# Altium PCB PCB MODULE AM625.PcbDoc (part 3 of 4)
Units mm, origin at the board's own origin, x right, y up, seen from the top; angles counter-clockwise.
Board outline 32.5 x 31.2 mm, 10 copper layers (Signal TOP, Ground Plane 1 (GND), Signal RAM 1, POWER 1, Signal IO 1, Signal IO 2, POWER 2, Signal RAM 2, Ground Plane 2 (GND), Signal Bottom), stack 1.563 mm thick; 228 components, 260 nets, 1274 pads, 470 vias.
Unrouted connection lines stored in the file: 1.
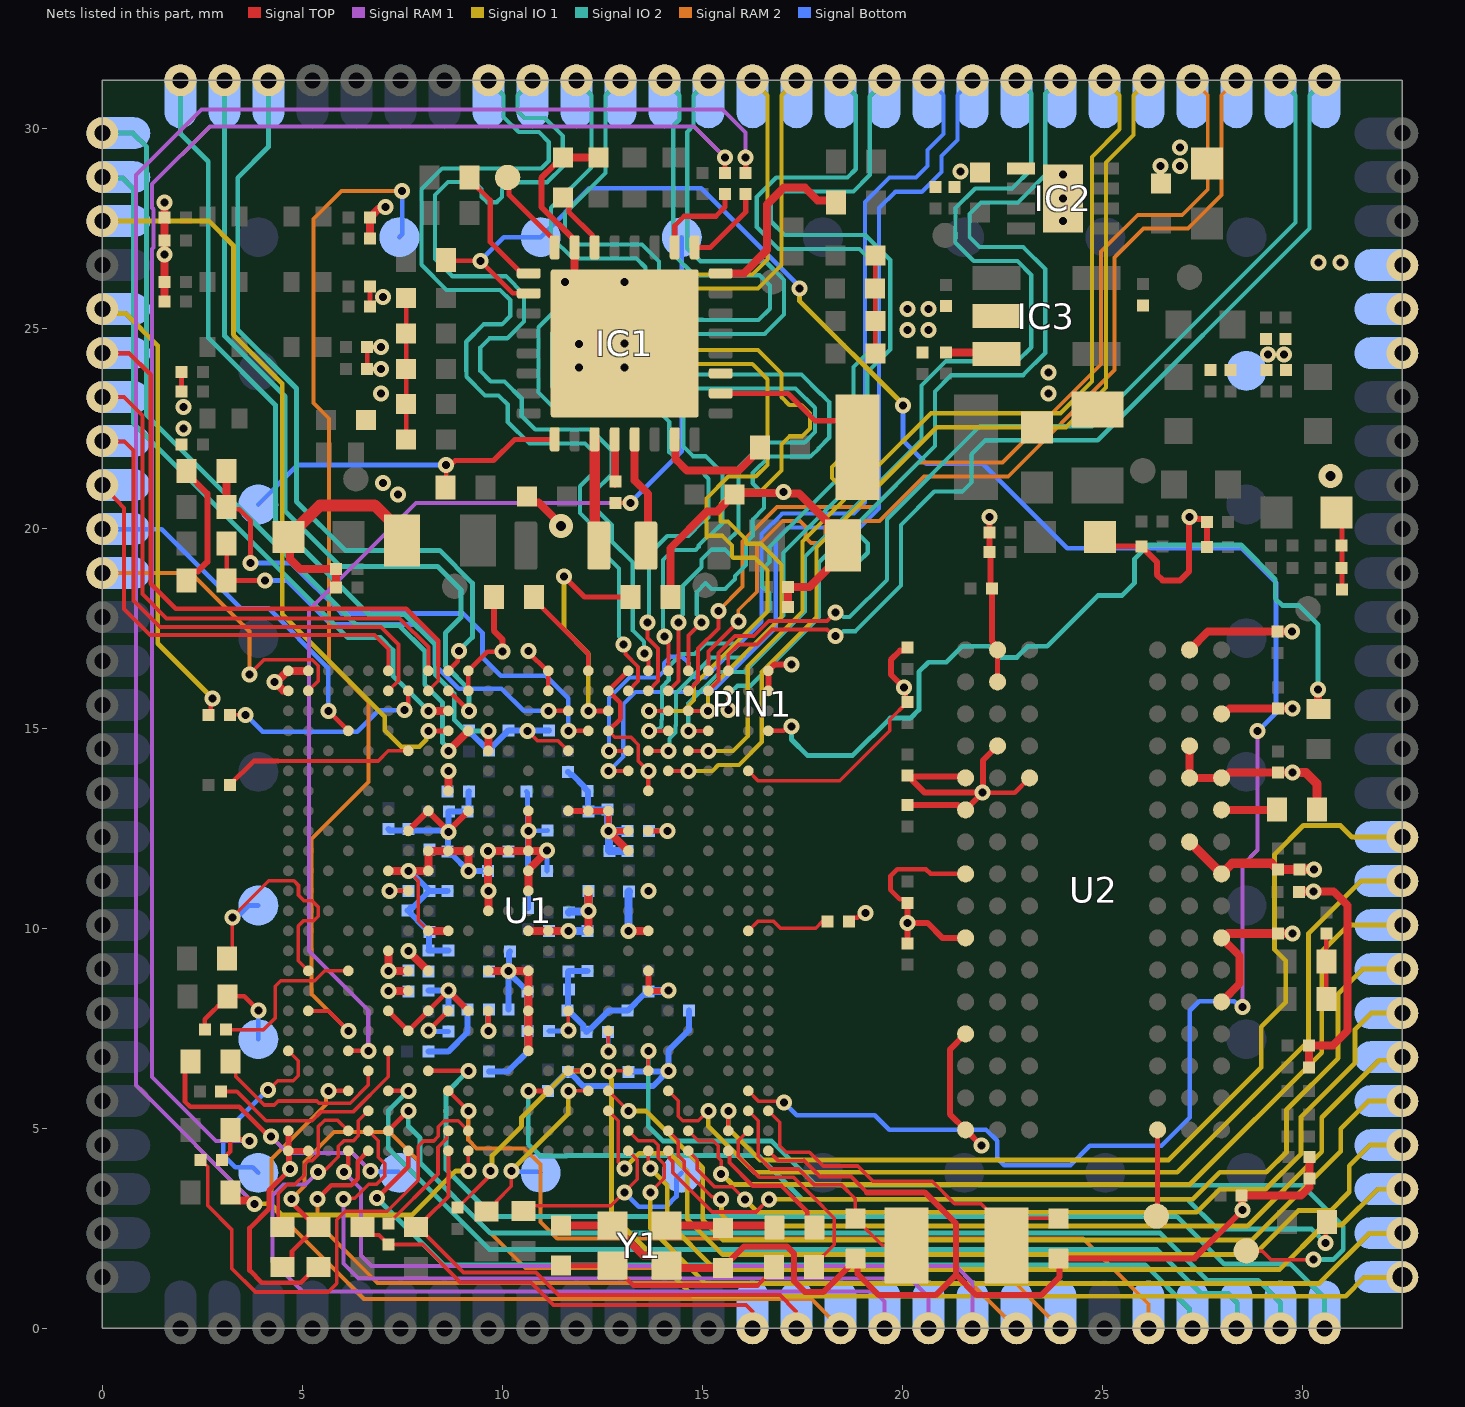
[diagram p11: the nets of this part, all layers, seen from the top]

## Via types
v1: diameter 0.4, hole 0.2, Signal TOP to Signal Bottom, tented both sides, 441 vias
v2: diameter 0.6, hole 0.25, Signal TOP to Signal Bottom, tented both sides, 29 vias

## Nets (pads, with @x,y where several pads share a name; then routed paths per layer and width w, separated by ;. In a path a pad name is that pad's centre, name@x,y a point inside that pad or via, vN(x,y) a via of type N, cw(c..) or ccw(c..) an arc to the next point about the centre after c; other vN are vias at no path point) (continued)
GND: C2.2 C3.2 C4.2 C5.1 C6.1 C7.1 C8.1 C9.2 C11.1 C12.1 C13.1 C14.1 C15.1 C16.1 C17.1 C18.1 C19.2 C20.1 C21.1 C22.1 C23.1 C24.2 C25.2 C26.2 C27.2 C28.1 C29.2 C30.2 C31.1 C32.2 C33.2 C34.2 C35.2 C36.2 C37.2 C38.2 C39.2 C40.1 C41.2 C42.2 C43.2 C44.1 C45.1 C46.1 C47.1 C48.2 C49.2 C50.2 C51.2 C52.2 C53.2 C54.2 C55.2 C56.2 C57.2 C58.2 C59.2 C60.2 C61.2 C62.2 C63.2 C64.2 C65.2 C66.2 C67.2 C68.2 C69.2 C70.2 C71.2 C72.2 C73.2 C74.2 C75.2 C76.2 C77.2 C78.2 C79.2 C80.2 C81.2 C82.2 C83.2 C84.2 C85.2 C86.2 C87.2 C88.1 C89.2 C90.2 C91.2 C92.2 C93.2 C94.2 C95.2 C96.2 C97.2 C98.2 C99.2 C100.2 C101.2 C102.2 C103.2 C104.2 C105.2 C106.2 C107.2 C108.2 C109.2 C110.2 C111.2 C112.2 C113.2 C114.2 C115.2 C116.2 C117.2 C118.2 C119.2 C120.1 C121.2 C122.2 C123.2 C124.2 C125.2 C126.2 C127.2 C128.2 C129.2 C130.2 C131.2 C132.2 C133.2 C134.2 C135.2 IC1.15 IC1.33 IC2.5 IC2.9 IC3.2 PIN1.58 PIN1.58_1 PIN1.59 PIN1.59_1 PIN1.60 PIN1.60_1 PIN1.117 R2.1 R5.1 R7.2 R8.2 R10.2 R12.2 R15.1 R17.1 R32.2 R50.1 R54.1 R55.1 R56.1 R58.1 U1.A1 U1.A24 U1.A25 U1.AA11 U1.AB9 U1.AD1 U1.AD9 U1.AD12 U1.AD16 U1.AD25 U1.AE1 U1.AE8 U1.AE12 U1.AE16 U1.AE24 U1.AE25 U1.B25 U1.F13 U1.G13 U1.G19 U1.H13 U1.H16 U1.H18 U1.H20 U1.J7 U1.J13 U1.K7 U1.K13 U1.K15 U1.K19 U1.L20 U1.M7 U1.M8 U1.M10 U1.M12 U1.M13 U1.M17 U1.M18 U1.N15 U1.P7 U1.P10 U1.P13 U1.R13 U1.R15 U1.R18 U1.R20 U1.T8 U1.T13 U1.T14 U1.T16 U1.T17 U1.T18 U1.U8 U1.U19 U1.V9 U1.V10 U1.V11 U1.V13 U1.V16 U1.V18 U1.W7 U1.Y2 U2.A2 U2.A8 U2.B2 U2.C9 U2.D2 U2.D8 U2.E1 U2.E3 U2.E8 U2.E9 U2.F1 U2.G8 U2.H1 U2.H9 U2.K1 U2.K9 U2.M9 U2.N1 U2.T1 Y1.2 Y1.4 | length 212.2
  Signal TOP w0.09: v1(7.649,11.436) 7.9,11.185 7.9,10.186 U1.M18@8.15,9.936 ; v1@10.631,14.94 10.879,14.692 11.393,14.692 U1.AA11@11.65,14.436 ; U1.AB9@12.65,14.936 12.812,14.773 13.22,14.773 13.4,14.592 13.4,14.181 v1(13.65,13.932) ; U1.Y2@16.15,13.936 16.393,13.692 18.435,13.692 19.682,14.94 19.682,15.211 C17.1@20.13,15.658 ; U1.A1@16.65,4.436 16.892,4.194 17.541,4.194
  Signal TOP w0.1: 17.541,4.194 17.938,3.797 18.721,3.797 19.118,3.4
  Signal TOP w0.117: U1.AD16@9.15,15.936 U1.AE16@9.15,16.436 9.625,16.911 9.995,16.911 v1(10,16.916) ; v1(10.65,16.936) 10.65,16.905 11.118,16.436 U1.AE12@11.15,16.436 U1.AD12@11.15,15.936 ; U1.AB9@12.65,14.936 12.956,15.242 12.956,15.63 U1.AD9@12.65,15.936 U1.AE8@13.15,16.436 ; U1.W7@13.65,13.436 v1(13.65,13.932) ; R5.1@18.665,10.171 18.757,10.262 18.879,10.262 19.002,10.385 v1(19.079,10.385) ; v1(20.045,16.016) 20.087,15.974 20.087,15.701 C17.1@20.13,15.658 ; v1(22.004,13.391) 22.81,13.391 U2.E3@23.181,13.761 ; U2.B2@22.381,16.161 U2.A2@22.381,16.961
  Signal TOP w0.12: C59.2@1.983,23.424 C60.2@1.983,23.906 ; v1(4.694,3.979) 4.168,3.453 4.168,2.991 3.682,2.505 3.682,1.446 3.988,1.14 4.961,1.14 R15.1@5.35,1.528 ; C81.2@6.622,23.988 C82.2@6.622,24.53 ; C69.2@6.69,25.55 C70.2@6.69,26.05 ; C37.2@7.597,22.222 C34.2@7.597,23.105 C36.2@7.597,23.988 C32.2@7.597,24.871 C35.2@7.597,25.754 ; C24.2@19.326,24.382 C33.2@19.326,26.818 ; C14.1@20.13,10.635 20.04,10.725 19.939,10.725 19.701,10.962 19.701,11.305 19.874,11.478 20.59,11.478 20.706,11.361 U2.H1@21.581,11.361
  Signal TOP w0.13: U1.H20@7.15,7.936 U1.G19@7.65,7.436 U1.H18@8.15,7.936 8.15,7.938 v1(8.65,8.439) ; C88.1@24.944,19.782 25.176,19.55 R50.1@25.977,19.55 ; C9.2@30.859,20.4 30.99,20.269 C20.1@30.99,18.469
  Signal TOP w0.15: R55.1@2.11,18.7 2.11,18.75 2.285,18.925 2.39,18.925 2.625,19.16 2.625,20.868 2.11,21.383 R58.1@2.11,21.433 ; U1.B25@4.65,4.936 U1.A25@4.65,4.436 ; v1(4.694,3.979) 4.672,4.001 4.672,4.414 U1.A25@4.65,4.436 ; U1.A24@5.15,4.436 U1.A25@4.65,4.436 ; R15.1@5.35,1.528 R15.1@5.4,1.528 ; U1.U19@7.65,12.436 U1.V18@8.15,12.936 8.15,12.923 v1@8.65,12.423 ; v1(8.65,8.439) v1(8.65,8.439) 9.15,7.938 U1.H16@9.15,7.936 ; v1(8.65,12.411) v1@8.65,12.423 ; U1.V16@9.15,12.936 9.15,12.923 v1@8.65,12.423 ; R54.1@9.786,18.28 9.786,17.439 10,17.226 v1(10,16.916) ; U1.T13@10.65,11.936 v1(10.65,12.436) U1.V13@10.65,12.936 ; C30.2@11.522,29.271 11.347,29.096 11.311,29.096 10.975,28.76 10.975,28.033 11.811,27.197 IC1.15@11.811,27.022 ; U1.V11@11.65,12.936 U1.V10@12.15,12.936 U1.V9@12.65,12.936 v1(12.65,12.436) U1.U8@13.15,12.436 ; U1.J7@13.65,8.436 U1.J7@13.651,8.438 ; U1.K7@13.65,8.936 13.65,8.439 U1.J7@13.651,8.438 ; v1(14.15,8.439) 14.148,8.438 U1.J7@13.651,8.438 ; C45.1@15.512,1.512 16.04,2.04 17.119,2.04 17.297,1.863 17.297,1.177 17.569,0.905 18.027,0.905 18.651,1.529 18.651,1.57 C46.1@18.826,1.745 18.884,1.687 18.884,1.358 19.413,0.829 20.835,0.829 21.344,1.338 ; U1.AD1@16.65,15.936 U1.AE1@16.65,16.436 16.813,16.6 v1(17.23,16.6) ; 19.118,3.4 20.557,3.4 ; v1(20.045,16.016) 19.716,16.346 19.716,16.713 19.943,16.941 20.055,16.941 C2.2@20.13,17.016 ; C19.2@20.13,9.62 v1(20.13,10.135) ; C14.1@20.13,10.635 v1(20.13,10.135) ; C18.1@20.13,13.077 21.39,13.077 21.506,12.961 U2.F1@21.581,12.961 21.581,12.964 22.004,13.388 v1(22.004,13.391) ; 20.557,3.4 21.344,2.613 21.344,1.338 ; U2.N1@21.581,7.361 21.187,6.967 21.187,5.355 U2.T1@21.581,4.961 21.584,4.961 21.974,4.571 v1(21.977,4.571) ; U2.K1@21.581,9.761 21.003,9.761 20.629,10.135 v1(20.13,10.135) ; U2.E1@21.581,13.761 21.607,13.761 21.578,13.791 20.159,13.791 20.559,13.391 v1(22.004,13.391) ; v1(22.179,20.28) C90.2@22.179,19.89 C89.2@22.179,19.41 22.209,19.381 22.209,18.52 C16.1@22.238,18.49 22.238,17.178 22.381,17.036 U2.A2@22.381,16.961 ; U2.D2@22.381,14.561 22.019,14.199 22.019,13.405 v1(22.004,13.391) ; R50.1@25.977,19.55 26.364,19.163 26.364,18.843 26.507,18.7 26.947,18.7 27.166,18.918 27.166,20.265 v1(27.181,20.28) 27.248,20.28 27.301,20.226 27.541,20.226 C128.2@27.616,20.151 C127.2@27.616,19.529 ; v1(28.505,2.953) 27.302,1.75 C47.1@23.911,1.75 23.927,1.735 23.927,1.279 23.477,0.829 21.853,0.829 21.344,1.338
  Signal TOP w0.2: v1(1.554,28.141) 1.557,28.138 1.557,27.774 C78.2@1.56,27.771 C79.2@1.56,27.2 C72.2@1.56,26.161 C73.2@1.56,25.671 ; v1(4.31,16.157) v1@4.313,16.157 ; U1.AD25@4.65,15.936 4.636,15.949 4.521,15.949 v1@4.313,16.157 ; C120.1@4.652,19.783 4.694,19.742 4.694,19.233 4.946,18.98 C121.2@5.847,18.98 C122.2@5.847,18.515 ; U1.AE24@5.15,16.436 U1.AE25@4.65,16.436 4.631,16.436 4.352,16.157 v1@4.313,16.157 ; C66.2@6.69,27.243 C67.2@6.69,27.771 6.919,27.999 7.046,27.999 v1(7.084,28.037) ; U1.L20@7.15,9.436 v1(7.15,8.936) U1.K19@7.65,8.936 ; U1.R20@7.15,11.436 v1(7.649,11.436) U1.R18@8.15,11.436 U1.T18@8.15,11.936 U1.T17@8.65,11.936 U1.T16@9.15,11.936 9.151,11.934 9.151,11.438 v1(9.153,11.436) ; U1.M18@8.15,9.936 U1.M17@8.65,9.936 ; U1.K15@9.65,8.936 v1(10.15,8.936) U1.K13@10.65,8.936 U1.J13@10.65,8.436 U1.H13@10.65,7.936 U1.G13@10.65,7.436 U1.F13@10.65,6.936 ; U1.N15@9.65,10.436 v1(9.65,10.932) 9.645,10.937 9.645,11.931 v1(9.64,11.936) U1.T13@10.65,11.936 11.108,11.936 v1(11.121,11.949) 11.121,11.927 10.65,11.455 U1.R13@10.65,11.436 U1.P13@10.65,10.936 ; C26.2@10.621,20.8 10.771,20.65 10.908,20.65 11.467,20.091 v2(11.467,20.063) ; U1.M13@10.65,9.936 U1.M12@11.15,9.936 v1(11.65,9.936) ; C44.1@11.467,2.568 Y1.2@12.75,2.568 12.775,2.568 13.525,1.818 13.85,1.818 Y1.4@14.1,1.568 14.155,1.512 C45.1@15.512,1.512 ; C30.2@11.522,29.271 C38.2@12.4,29.271 ; v1(11.565,26.161) 11.599,26.161 11.811,26.372 IC1.15@11.811,27.022 ; U1.M10@12.15,9.936 v1(12.15,10.436) U1.P10@12.15,10.936 ; v1(12.65,12.436) U1.T8@13.15,11.936 ; v1(13.15,9.936) U1.M7@13.65,9.936 ; R56.1@14.2,18.28 14.2,19.5 15.117,20.417 15.367,20.417 C27.2@15.8,20.85 15.83,20.88 16.996,20.88 v1(17.026,20.91) 17.064,20.872 17.417,20.872 18.521,19.768 C28.1@18.521,19.568 18.521,19.368 17.684,18.53 C114.2@17.148,18.53 C115.2@17.148,18.03 ; U2.D8@27.181,14.561 U2.E8@27.181,13.761 U2.E9@27.981,13.761 28.042,13.761 28.175,13.895 C7.1@29.387,13.895 29.39,13.898 29.747,13.898 v1(29.75,13.901) ; U2.A8@27.181,16.961 27.637,17.417 C5.1@29.385,17.417 29.387,17.42 29.744,17.42 v1(29.747,17.423) ; U2.M9@27.981,8.161 28.436,8.616 28.436,9.306 U2.K9@27.981,9.761 ; U2.C9@27.981,15.361 28.042,15.361 28.175,15.495 C6.1@29.387,15.495 29.39,15.498 29.747,15.498 v1(29.75,15.501) ; C12.1@28.482,3.314 29.969,3.314 30.18,3.525 C3.2@30.18,3.75 R2.1@30.18,4.288 ; v1@28.493,2.965 C12.1@28.493,3.303 ; R12.2@30.165,6.516 R10.2@30.165,7.074 30.764,7.074 31.13,7.44 31.13,10.574 30.786,10.918 v1(30.278,10.918)
  Signal TOP w0.23: U2.G8@27.181,12.161 U2.H9@27.981,11.361 28.248,11.628 29.227,11.628 C11.1@29.387,11.468 C8.1@29.935,11.468 ; U2.K9@27.981,9.761 28.034,9.761 28.142,9.87 C13.1@29.387,9.87 29.39,9.873 29.747,9.873 v1(29.75,9.876) ; v1(29.75,13.901) 29.755,13.895 30.09,13.895 30.369,13.616 R8.2@30.369,12.97 ; R17.1@29.921,10.918 v1(30.278,10.918) ; C8.1@29.94,11.474 v1(30.297,11.474)
  Signal TOP w0.3: C120.1@4.652,19.783 4.902,20.033 5.445,20.576 6.81,20.576 7.493,19.893 C31.1@7.493,19.693
  Signal Bottom w0.12: C102.2@9.637,11.432 C102.2@9.639,11.434 ; C130.2@10.142,11.928 C130.2@10.15,11.921 ; C61.2@10.604,13.425 10.627,13.403 10.627,12.458 v1(10.65,12.436) 10.652,12.439 11.132,12.439 C65.2@11.134,12.441 ; C93.2@11.12,11.436 v1(11.121,11.949)
  Signal Bottom w0.15: v1(7.15,8.936) 7.157,8.943 7.642,8.943 C54.2@7.65,8.951 ; C110.2@7.15,12.482 7.185,12.446 8.614,12.446 v1(8.65,12.411) ; v1(7.649,11.436) 7.68,11.436 C51.2@8.179,10.936 ; C64.2@8.149,6.917 8.645,6.917 9.135,7.406 C48.2@9.135,7.965 9.06,8.04 9.045,8.04 8.65,8.436 v1(8.65,8.439) ; C116.2@8.16,8.451 8.166,8.445 8.644,8.445 v1(8.65,8.439) ; C96.2@8.18,11.965 8.202,11.943 C71.2@8.612,11.943 ; C134.2@8.634,10.932 C134.2@8.634,10.932 8.181,10.934 C51.2@8.179,10.936 ; C97.2@8.649,9.451 C49.2@8.149,9.451 8.165,9.466 8.165,9.891 C107.2@8.179,9.906 8.105,9.981 8.099,9.981 C117.2@7.635,10.444 7.71,10.519 7.763,10.519 C51.2@8.179,10.936 ; C53.2@8.653,7.951 8.651,7.953 8.651,8.438 v1(8.65,8.439) ; C50.2@9.164,13.425 9.15,13.41 9.15,12.941 C99.2@9.135,12.926 8.663,12.926 8.656,12.919 8.656,12.418 v1(8.65,12.411) ; C111.2@9.164,14.951 9.24,14.876 9.24,14.857 9.57,14.526 9.59,14.526 C58.2@9.665,14.451 10.075,14.861 10.075,14.876 C106.2@10.15,14.951 C74.2@11.164,14.951 ; C102.2@9.637,11.432 9.155,11.434 v1(9.153,11.436) 8.743,11.846 8.709,11.846 C71.2@8.634,11.921 8.642,11.928 8.642,12.403 v1(8.65,12.411) ; C102.2@9.639,11.434 9.639,11.934 v1(9.64,11.936) 9.648,11.928 C130.2@10.142,11.928 ; C126.2@9.665,6.421 10.138,6.421 10.635,6.918 C55.2@10.635,7.436 C92.2@10.634,8.421 ; C133.2@9.665,8.921 9.672,8.928 10.142,8.928 v1(10.15,8.936) ; C112.2@10.149,7.965 v1@10.15,8.906 ; C100.2@10.195,9.422 10.172,9.4 10.172,8.958 v1(10.15,8.936) ; C92.2@10.634,8.421 v1@10.15,8.906 ; C80.2@10.648,10.51 10.649,10.511 10.649,12.435 v1(10.65,12.436) ; C108.2@11.145,5.935 11.545,6.335 11.57,6.335 C118.2@11.645,6.41 11.72,6.335 11.747,6.335 12.027,6.055 13.769,6.055 v1(14.15,6.436) 14.15,6.934 14.665,7.45 C94.2@14.665,7.94 ; C68.2@11.646,13.908 11.721,13.833 11.757,13.833 12.06,13.53 12.06,13.504 C86.2@12.135,13.429 12.147,13.416 12.147,12.939 C98.2@12.16,12.926 ; C56.2@12.11,7.41 12.185,7.485 12.207,7.485 12.663,7.94 C57.2@13.134,7.94 13.54,8.346 13.58,8.346 C135.2@13.655,8.421 ; C56.2@12.11,7.426 12.094,7.426 12.035,7.485 12.035,7.565 11.725,7.875 11.71,7.875 11.642,7.943 11.642,8.914 C77.2@11.65,8.921 11.657,8.928 12.127,8.928 C125.2@12.135,8.936 ; C83.2@13.15,6.41 13.163,6.423 v1@14.137,6.423 ; v1@10.15,8.906 v1(10.15,8.936)
  Signal Bottom w0.2: C91.2@11.164,9.936 v1(11.65,9.936) C123.2@12.135,9.936 ; C129.2@11.664,10.4 11.682,10.418 12.132,10.418 v1(12.15,10.436) C101.2@12.149,10.936 ; C98.2@12.16,12.926 12.183,12.948 12.612,12.948 C95.2@12.634,12.971 ; C95.2@12.65,12.986 C95.2@12.634,12.971 ; C119.2@13.134,11.926 C131.2@12.679,11.926 12.665,11.941 12.665,12.421 v1(12.65,12.436) ; C52.2@13.134,12.436 v1(12.65,12.436) ; v1(13.15,9.936) 13.157,9.943 13.157,10.913 C124.2@13.164,10.921 ; C135.2@13.655,8.421 13.665,8.43 14.14,8.43 v1(14.15,8.439) ; C95.2@12.634,12.971 12.642,12.963 12.642,12.443 v1(12.65,12.436)
  other v1: 13.65,10.936 10.627,14.936 7.396,20.843 7.014,21.136 2.035,22.5 2.035,23.031 6.964,23.372 23.651,23.366 23.651,23.891 6.968,23.988 11.912,24.017 13.061,24.017 29.137,24.35 29.548,24.35 6.968,24.53 11.912,24.61 13.061,24.622 20.13,24.961 20.655,24.961 20.131,25.479 20.657,25.479 7.015,25.788 13.061,26.161 30.4,26.65 30.95,26.65 1.552,26.848 24.021,27.679 24.02,28.248 24.021,28.847 21.457,28.923 26.45,29.056 26.945,29.056 26.945,29.523
  other v2: 30.71,21.304
GPIO_AUD_RSTn: PIN1.130 U1.F25 | length 4.8
  Signal TOP w0.09: v1(4.14,5.958) 4.151,5.958 4.383,6.19 4.775,6.19 4.899,6.314 4.899,6.686 U1.F25@4.65,6.936
  Signal Bottom w0.117: PIN1.130@3.9,3.885 3.758,4.027 3.321,4.027 3.022,4.326 3.022,4.847 4.133,5.958 v1(4.14,5.958)
I2C0_SCL: R22.1 R46.1 R47.1 | length 42.5
  Signal TOP w0.117: R47.1@2.99,4.21 3.2,4.42 R46.1@3.2,4.911 ; R46.1@3.2,4.961 R46.1@3.2,4.911 ; v1(3.682,4.686) 3.648,4.72 3.392,4.72 R46.1@3.2,4.911
  Signal TOP w0.13: v1(15.567,29.271) v1(15.567,29.271) 15.568,28.886 R22.1@15.57,28.884
  Signal RAM 1 w0.102: v1(3.682,4.686) 2.838,4.686 1.238,6.287 1.238,26.979 1.275,27.016 1.275,27.975 1.24,28.011 1.24,28.602 2.688,30.05 14.787,30.05 v1(15.567,29.271)
I2C0_SDA: R23.1 R45.1 U1.A16 | length 51.3
  Signal TOP w0.09: v1(9.15,3.936) U1.A16@9.15,4.436
  Signal TOP w0.13: R23.1@16.085,28.884 v1@16.085,29.267
  Signal TOP w0.2: R45.1@3.2,3.4 3.2,3.35 3.35,3.2 3.667,3.2 3.754,3.113 v1(3.809,3.113)
  Signal RAM 1 w0.102: v1(3.809,3.113) 0.838,6.083 0.838,28.83 2.483,30.475 15.5,30.475 16.083,29.892 v1(16.083,29.269)
  Signal IO 1 w0.122: v1(3.809,3.113) 4.211,3.113 4.492,2.831 7.736,2.831 8.841,3.936 v1(9.15,3.936)
I2C1_SCL: PIN1.95 PIN1.95_1 R44.1 R48.1 | length 10.7
  Signal TOP w0.1: R44.1@6.422,2.528 6.612,2.338 6.92,2.338 R48.1@7.161,2.096 8.011,2.096 8.958,1.149 10.715,1.149 11.278,0.586 16.095,0.586 16.256,0.425
I2C1_SDA: PIN1.94 PIN1.94_1 R43.1 U1.A17 | length 12.6
  Signal TOP w0.1: U1.A17@8.65,4.436 8.65,3.297 8.093,2.74 8.093,2.728 R43.1@7.893,2.528 ; 17.341,0.425 16.937,0.829 11.405,0.829 10.839,1.395 9.026,1.395 R43.1@7.893,2.528 ; R43.1@7.893,2.528 R43.1@7.843,2.528 R43.1@7.893,2.528
I2C2_SCL: PIN1.131 R33.1 R35.1 | length 2.7
  Signal TOP w0.117: R35.1@2.564,7.469 2.564,7.727 2.728,7.892 2.894,8.057 2.944,8.057 3.135,8.249 R33.1@3.135,8.299 3.552,8.299 v1(3.9,7.95)
  Signal Bottom w0.117: PIN1.131@3.9,7.227 v1(3.9,7.95)
I2C2_SDA: PIN1.132 R34.1 U1.K24 | length 6.9
  Signal TOP w0.09: R34.1@3.113,9.25 3.25,9.387 v1(3.25,10.273) 4.164,11.187 4.791,11.187 4.906,11.072 4.906,10.822 5.041,10.687 5.242,10.687 5.398,10.532 5.398,10.304 5.28,10.185 5.028,10.185 4.898,10.055 4.898,9.187 U1.K24@5.15,8.936
  Signal Bottom w0.117: v1(3.25,10.273) 3.304,10.327 3.419,10.327 3.661,10.569 PIN1.132@3.9,10.569
MCASP0_ACLKX: PIN1.83 PIN1.83_1 U1.B20 | length 25.7
  Signal TOP w0.117: U1.B20@7.15,4.936 v1(7.65,5.436)
  Signal IO 2 w0.122: v1(7.65,5.436) 7.65,5.058 7.943,4.764 7.943,4.136 9.699,2.381 26.449,2.381 27.629,1.201 28.895,1.201 29.456,0.64 PIN1.83_1@29.456,0
MCASP0_AFSX: PIN1.84 PIN1.84_1 U1.D20 | length 25.6
  Signal TOP w0.117: U1.D20@7.15,5.936 v1(7.65,5.936)
  Signal IO 2 w0.122: v1(7.65,5.936) 7.15,5.436 7.15,4.503 9.678,1.975 26.363,1.975 27.463,0.875 28.13,0.875 28.373,0.633 PIN1.84_1@28.373,0
MCASP0_AXR0: PIN1.82 PIN1.82_1 U1.E18 | length 27.7
  Signal TOP w0.117: U1.E18@8.15,6.436 v1(9.15,6.436)
  Signal IO 2 w0.122: v1(9.15,6.436) 8.591,5.878 8.591,3.972 9.766,2.797 26.858,2.797 28.052,1.604 29.707,1.604 30.556,0.755 PIN1.82_1@30.556,0
MCASP0_AXR2: PIN1.85 PIN1.85_1 U1.A19 | length 23.5
  Signal TOP w0.117: v1(6.863,3.257) 7.65,4.044 U1.A19@7.65,4.436
  Signal IO 2 w0.122: v1(6.863,3.257) 8.535,1.585 26.071,1.585 27.181,0.475 27.181,0.075 PIN1.85_1@27.256,0
MCU_I2C0_SCL: PIN1.127 R37.1 U1.A8 | length 6.2
  Signal TOP w0.09: R37.1@10.53,2.936 10.657,3.063 12.713,3.063 v1(13.05,3.4) 13.375,3.725 13.375,4.21 U1.A8@13.15,4.436
  Signal Bottom w0.117: v1(13.05,3.4) 13.413,3.037 14.094,3.037 14.354,3.297 14.354,3.751 PIN1.127@14.487,3.885
MCU_I2C0_SDA: PIN1.128 R36.1 U1.D10 | length 5.1
  Signal TOP w0.09: R36.1@9.6,2.925 9.65,2.925 9.855,3.13 9.855,3.18 10.225,3.55 v1(10.225,3.936) ; v1(11.65,5.936) U1.D10@12.15,5.936
  Signal IO 1 w0.122: v1(10.225,3.936) 11.65,5.36 v1(11.65,5.936)
  Signal Bottom w0.117: v1(10.225,3.936) 10.251,3.91 10.932,3.91 PIN1.128@10.958,3.885
MCU_MCAN0_RX: PIN1.71 PIN1.71_1 U1.B3 | length 24.9
  Signal TOP w0.09: U1.B3@15.65,4.936 v1(15.65,5.436)
  Signal IO 1 w0.122: v1(15.65,5.436) 15.65,5 16.441,4.209 26.661,4.209 28.975,6.522 28.975,7.539 29.587,8.151 29.587,9.189 29.308,9.467 29.308,11.85 30.028,12.57 30.952,12.57 31.243,12.279 PIN1.71_1@32.5,12.279
MCU_MCAN0_TX: PIN1.72 PIN1.72_1 U1.D6 | length 24.4
  Signal TOP w0.09: U1.D6@14.15,5.936 14.4,5.686 14.4,5.3 14.515,5.185 14.899,5.185 v1(15.15,5.436)
  Signal IO 1 w0.122: v1(15.15,5.436) 15.15,5.05 16.3,3.9 26.872,3.9 30.158,7.186 30.158,9.876 31.461,11.179 PIN1.72_1@32.5,11.179
MCU_SPI0_CLK: PIN1.79 PIN1.79_1 U1.A7 | length 21.7
  Signal TOP w0.09: U1.A7@13.65,4.436 13.65,4.05 v1(13.7,4)
  Signal IO 1 w0.122: v1(13.7,4) 14.125,3.575 14.125,2.671 15.328,1.468 29.428,1.468 30.543,2.583 30.99,2.583 31.882,3.476 32.497,3.476 PIN1.79_1@32.5,3.479
MCU_SPI0_CS0: PIN1.81 PIN1.81_1 U1.E8 | length 24.9
  Signal TOP w0.09: v1(12.65,6.436) U1.E8@13.15,6.436
  Signal IO 1 w0.122: v1(12.65,6.436) 12.703,6.383 12.703,6.248 12.726,6.225 12.726,2.845 14.769,0.802 31.083,0.802 31.553,1.273 32.494,1.273 PIN1.81_1@32.5,1.279
MCU_SPI0_CS1: PIN1.80 PIN1.80_1 U1.B8 | length 23.1
  Signal TOP w0.09: U1.B8@13.15,4.936 13.4,4.686 13.789,4.686 13.9,4.575 13.9,4.25 14.05,4.1 14.05,3.75 v1(13.7,3.4)
  Signal IO 1 w0.122: v1(13.7,3.4) 13.7,2.509 15.091,1.117 30.416,1.117 31.669,2.37 32.491,2.37 PIN1.80_1@32.5,2.379
MCU_SPI0_D0: PIN1.77 PIN1.77_1 U1.D9 | length 23.9
  Signal TOP w0.09: U1.D9@12.65,5.936 v1(13.15,5.436)
  Signal IO 1 w0.122: v1(13.15,5.436) 13.589,5.436 15.011,4.014 15.011,2.714 15.515,2.21 28.75,2.21 30.962,4.423 30.962,4.988 31.653,5.679 PIN1.77_1@32.5,5.679
MCU_SPI0_D1: PIN1.78 PIN1.78_1 U1.C9 | length 24.5
  Signal TOP w0.09: U1.C9@12.65,5.436 12.9,5.185 12.9,4.15 v1(13.05,4)
  Signal IO 1 w0.122: v1(13.05,4) 13.425,4.375 14.179,4.375 14.625,3.93 14.625,2.729 15.512,1.842 28.802,1.842 29.902,2.942 30.708,2.942 31.173,3.407 31.173,4.061 31.691,4.579 PIN1.78_1@32.5,4.579
MCU_UART0_CTS: PIN1.74 PIN1.74_1 U1.A6 | length 23.3
  Signal TOP w0.09: U1.A6@14.15,4.436 14.174,4.412 14.174,4.252 14.266,4.16 14.266,3.89 15.249,2.907 16.345,2.907 v1(16.662,3.225)
  Signal IO 1 w0.122: v1(16.662,3.225) 27.264,3.225 27.939,3.9 29.1,3.9 29.605,4.405 29.605,5.464 30.894,6.753 30.894,8.364 31.509,8.979 PIN1.74_1@32.5,8.979
MCU_UART0_RTS: PIN1.76 PIN1.76_1 U1.B6 | length 22.1
  Signal TOP w0.09: U1.B6@14.15,4.936 14.4,4.686 14.4,4.321 14.55,4.17 14.55,3.97 15.234,3.286 15.401,3.286 v1(15.462,3.225)
  Signal IO 1 w0.122: v1(15.462,3.225) 15.484,3.204 15.484,2.842 15.771,2.555 28.629,2.555 30.487,4.413 30.487,5.271 31.917,6.7 32.422,6.7 PIN1.76_1@32.5,6.779
MCU_UART0_RXD: PIN1.73 PIN1.73_1 U1.B5 | length 22.9
  Signal TOP w0.09: U1.B5@14.65,4.936 14.899,4.686 15.272,4.686 15.398,4.56 15.398,4.268 15.473,4.192 v1(15.473,3.855)
  Signal IO 1 w0.122: v1(15.473,3.855) 15.495,3.855 15.755,3.595 27.191,3.595 30.487,6.892 30.487,9.421 31.145,10.079 PIN1.73_1@32.5,10.079
MCU_UART0_TXD: PIN1.75 PIN1.75_1 U1.A5 | length 21.7
  Signal TOP w0.09: U1.A5@14.65,4.436 14.875,4.21 14.875,3.968 15.303,3.54 15.748,3.54 v1(16.062,3.225)
  Signal IO 1 w0.122: v1(16.062,3.225) 16.387,2.901 27.359,2.901 27.934,3.476 29.081,3.476 29.969,4.364 29.969,5.29 31.321,6.641 31.321,7.472 31.728,7.879 PIN1.75_1@32.5,7.879
MDIO0_MDC: PIN1.17 PIN1.17_1 PIN1.17_2 U1.AD24 | length 8
  Signal TOP w0.09: v1(3.675,16.346) 4.042,16.712 5.246,16.712 5.397,16.561 5.397,16.183 U1.AD24@5.15,15.936
  Signal RAM 2 w0.102: PIN1.17_2@0,18.879 2.215,18.879 3.675,17.418 v1(3.675,16.346)
MDIO0_MDIO: PIN1.18 PIN1.18_1 PIN1.18_2 U1.AB22 | length 8.9
  Signal TOP w0.117: v1(5.65,15.436) U1.AB22@6.15,14.936
  Signal Bottom w0.117: PIN1.18_2@0,19.979 1.485,19.979 3.464,18 4.156,18 5.65,16.506 v1(5.65,15.436)
MMC1_CLK: PIN1.88 PIN1.88_1 R14.1 R15.2 | length 24.7
  Signal TOP w0.117: R14.1@4.5,1.528 4.55,1.528 4.742,1.72 4.742,1.92 R15.2@5.35,2.528 ; v1(4.735,3.237) 4.789,3.183 4.789,3.089 R15.2@5.35,2.528 ; R15.2@5.4,2.528 R15.2@5.35,2.528
  Signal RAM 2 w0.102: v1(4.735,3.237) 5.05,3.553 5.05,4.158 5.797,4.905 7.177,4.905 10.575,1.506 22.449,1.506 PIN1.88_1@23.956,0
MMC1_CMD: PIN1.89 PIN1.89_1 U1.A21 | length 21.2
  Signal TOP w0.117: v1(5.385,3.238) 5.722,3.574 6.221,3.574 6.384,3.737 6.384,4.171 U1.A21@6.65,4.436
  Signal RAM 2 w0.102: v1(5.385,3.238) 5.385,2.633 6.885,1.132 21.723,1.132 PIN1.89_1@22.856,0
MMC1_D0: PIN1.90 PIN1.90_1 U1.A22 | length 19.6
  Signal TOP w0.117: v1(6.038,3.909) 6.038,3.985 6.15,4.097 U1.A22@6.15,4.436
  Signal RAM 1 w0.102: v1(6.038,3.909) 6.466,3.481 6.466,1.817 6.725,1.557 21.337,1.557 21.756,1.139 PIN1.90_1@21.756,0
MMC1_D1: PIN1.91 PIN1.91_1 U1.B21 | length 19.9
  Signal TOP w0.09: v1(6.035,3.238) 6.049,3.253 6.314,3.253 6.663,3.603 6.857,3.603 7.065,3.811 7.065,4.111 6.899,4.277 6.899,4.687 U1.B21@6.65,4.936
  Signal RAM 1 w0.102: v1(6.035,3.238) 6.035,1.62 6.408,1.247 20.187,1.247 20.656,0.778 PIN1.91_1@20.656,0